# Altium PCB PCB3.PcbDoc
Units mm, origin at the board's own origin, x right, y up, seen from the top; angles counter-clockwise.
Board outline 50.8 x 54.14 mm, 2 copper layers (Top Layer, Bottom Layer); 102 components, 34 nets, 402 pads, 88 vias.
Unrouted connection lines stored in the file: 42.
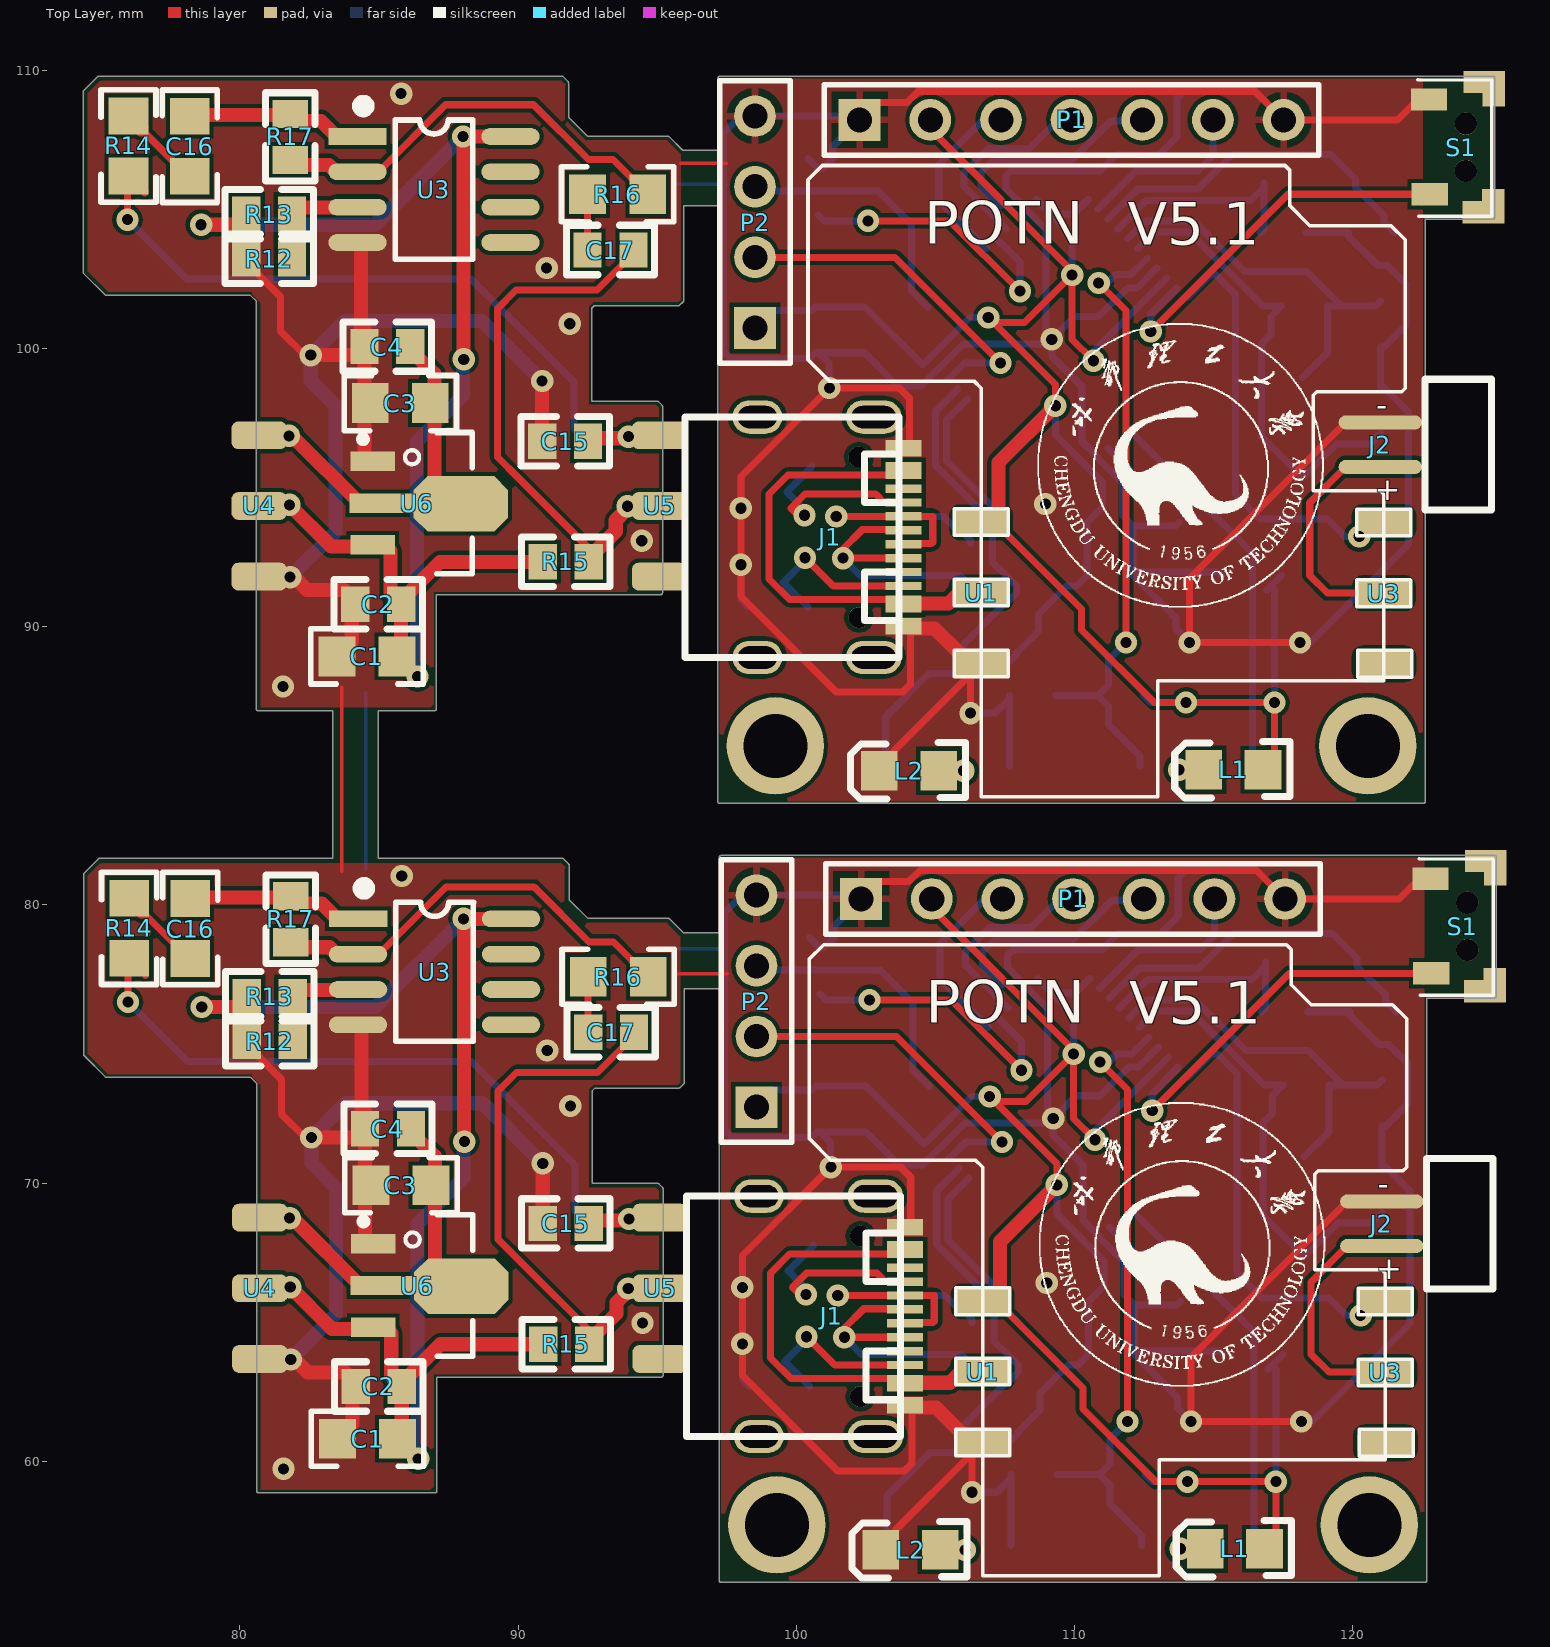
[diagram p0: Top Layer view]
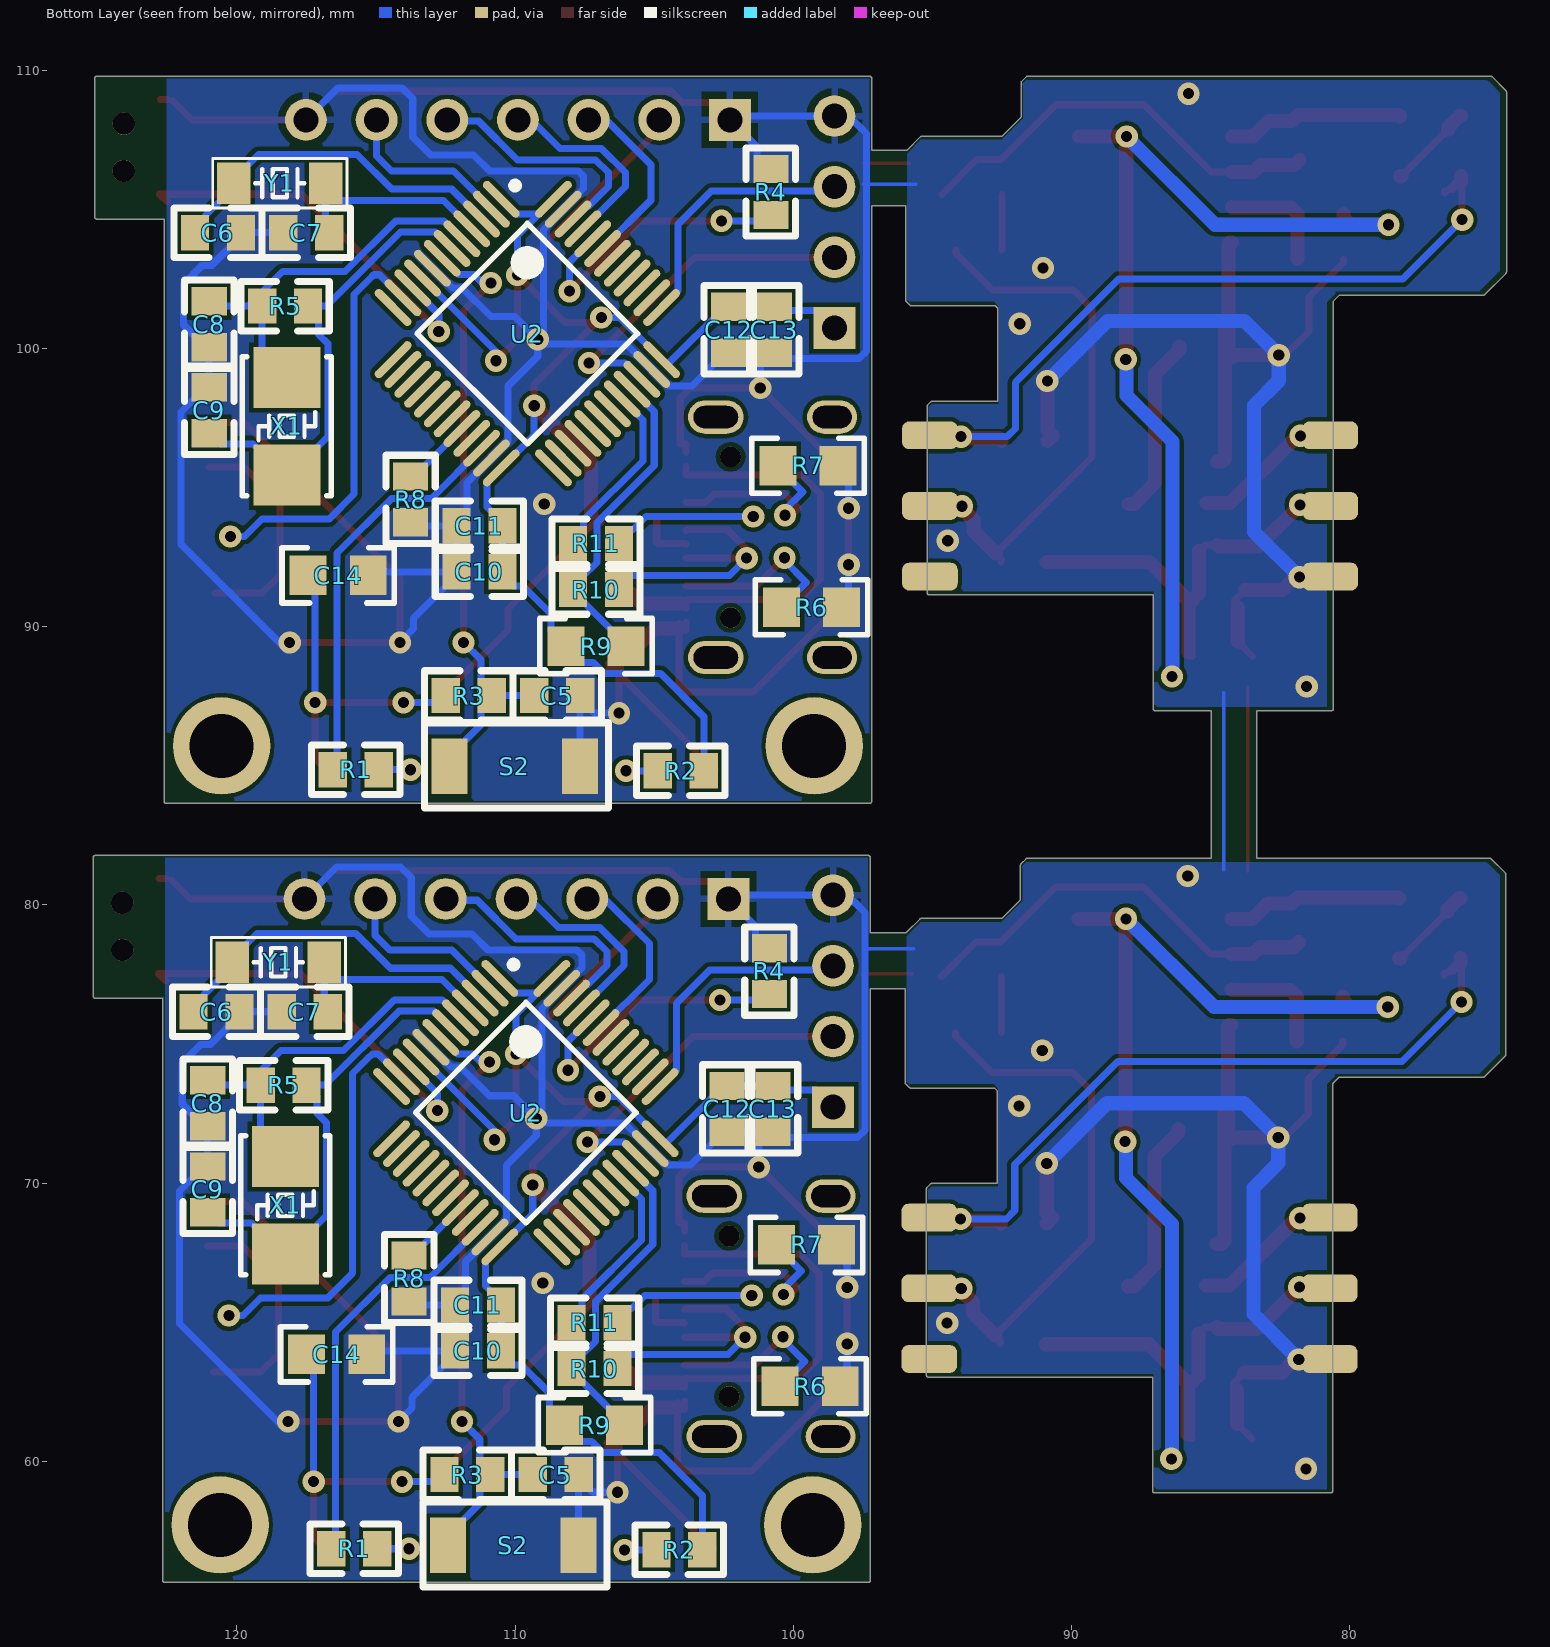
[diagram p1: Bottom Layer view, seen from below]
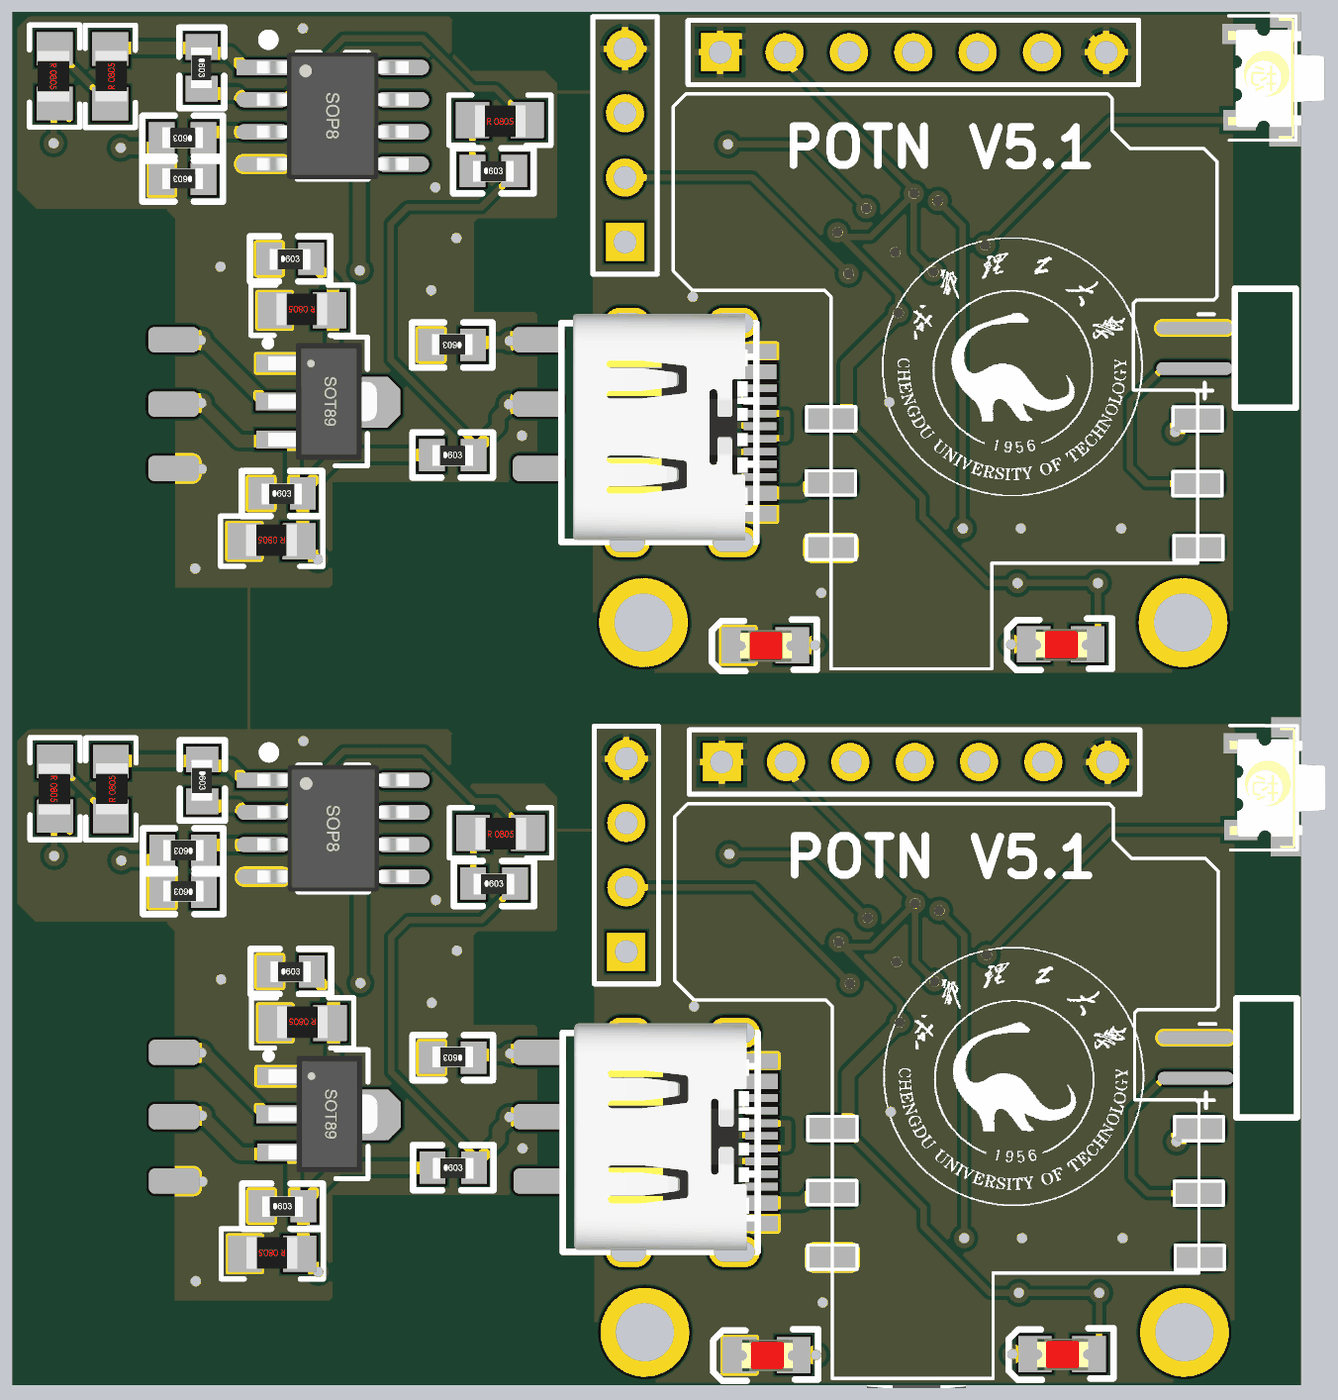
[diagram p2: 3D render of the assembled board from above, using the file's embedded part models]
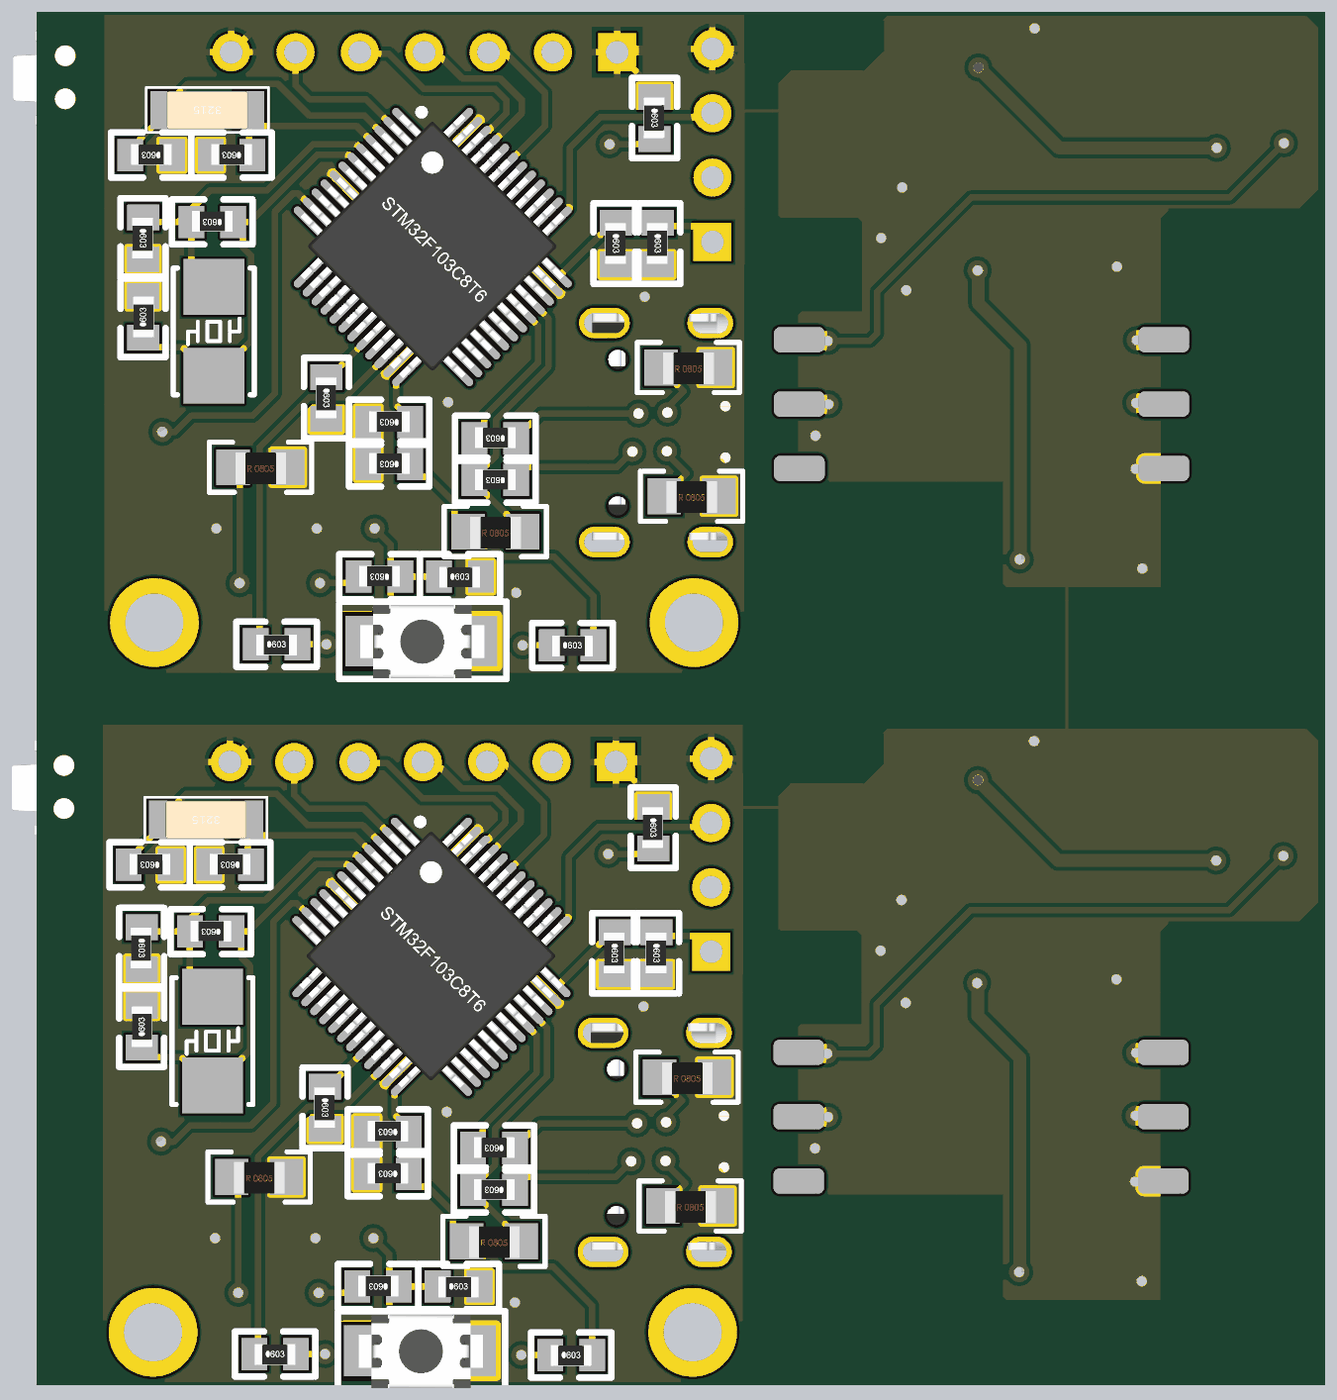
[diagram p3: 3D render of the assembled board from below, using the file's embedded part models]

## Layer stack, top to bottom
Top Solder: solder mask 0.0102, Solder Resist, Dk 3.5
Top Layer: signal copper 0.0356
Dielectric 1: dielectric 0.32, FR-4, Dk 4.8
Bottom Layer: signal copper 0.0356
Bottom Solder: solder mask 0.0102, Solder Resist, Dk 3.5

## Board outline
75.211,73.797 80.392,73.797 80.608,73.58 80.608,68.781 80.608,58.926 ccw(c80.672,58.926) 80.672,58.862 87.022,58.862 ccw(c87.022,58.926) 87.086,58.926 87.086,63.027 95.15,63.027 ccw(c95.15,63.091) 95.214,63.091 95.214,69.797 ccw(c95.15,69.797) 95.195,69.842 95.068,69.969 ccw(c95.023,69.924) 95.023,69.988 92.674,69.988 92.674,73.326 92.764,73.416 95.785,73.416 ccw(c95.785,73.48) 95.83,73.435 95.957,73.562 ccw(c95.912,73.607) 95.976,73.607 95.976,76.976 97.226,76.976 97.226,55.722 ccw(c97.29,55.722) 97.25,55.672 ccw(c97.3,55.712) 97.3,55.648 122.6,55.648 ccw(c122.6,55.712) 122.664,55.712 122.664,76.643 122.669,76.648 125.1,76.648 ccw(c125.1,76.712) 125.164,76.712 125.164,81.712 ccw(c125.1,81.712) 125.1,81.776 97.3,81.776 ccw(c97.3,81.712) 97.236,81.712 97.236,79.005 95.939,79.005 95.449,79.494 ccw(c95.404,79.449) 95.404,79.513 92.51,79.513 91.836,80.186 91.836,81.43 ccw(c91.772,81.43) 91.817,81.475 91.639,81.653 ccw(c91.594,81.608) 91.638,81.654 ccw(c91.592,81.61) 91.592,81.674 84.984,81.674 84.984,86.98 ccw(c84.92,86.98) 84.984,86.982 ccw(c84.986,87.046) 84.986,86.982 87,86.982 ccw(c87,87.046) 87.064,87.046 87.064,91.147 95.128,91.147 ccw(c95.128,91.211) 95.192,91.211 95.192,97.917 ccw(c95.128,97.917) 95.173,97.962 95.046,98.089 ccw(c95.001,98.044) 95.001,98.108 92.652,98.108 92.652,101.446 92.742,101.536 95.763,101.536 ccw(c95.763,101.6) 95.808,101.555 95.935,101.682 ccw(c95.89,101.727) 95.954,101.727 95.954,105.126 97.183,105.126 97.183,83.715 ccw(c97.247,83.715) 97.247,83.651 122.547,83.651 ccw(c122.547,83.715) 122.611,83.715 122.611,104.646 122.616,104.651 125.047,104.651 ccw(c125.047,104.715) 125.111,104.715 125.111,109.715 ccw(c125.047,109.715) 125.047,109.779 97.247,109.779 ccw(c97.247,109.715) 97.183,109.715 97.183,107.125 95.917,107.125 95.427,107.614 ccw(c95.382,107.569) 95.382,107.633 92.488,107.633 91.814,108.306 91.814,109.55 ccw(c91.75,109.55) 91.795,109.595 91.617,109.773 ccw(c91.572,109.728) 91.572,109.792 74.935,109.792 ccw(c74.935,109.728) 74.89,109.773 74.382,109.265 ccw(c74.427,109.22) 74.363,109.22 74.363,102.743 ccw(c74.427,102.743) 74.382,102.698 75.144,101.936 ccw(c75.189,101.981) 75.189,101.917 80.37,101.917 80.586,101.7 80.586,96.901 80.586,87.046 ccw(c80.65,87.046) 80.608,86.998 ccw(c80.656,87.04) 80.656,86.976 83.336,86.976 83.336,81.672 74.957,81.672 ccw(c74.957,81.608) 74.912,81.653 74.404,81.145 ccw(c74.449,81.1) 74.385,81.1 74.385,74.623 ccw(c74.449,74.623) 74.404,74.578 75.166,73.816 ccw(c75.211,73.861)

## Design rules (kind name [scope] priority, off if disabled: settings)
Clearance [All] p1: gap=0.152 ignorepadtopadclearanceinfootprint=TRUE
PolygonConnect [All] p1: thpad.connectstyle=Relief thpad.reliefconductorwidth=0.254 thpad.reliefentries=4 thpad.polygonreliefangle="90 Angle" thpad.airgapwidth=0.254 smdpad.connectstyle=Direct smdpad.reliefconductorwidth=0.254 smdpad.reliefentries=4 smdpad.polygonreliefangle="90 Angle" smdpad.airgapwidth=0.254 via.connectstyle=Direct via.reliefconductorwidth=0.254 via.reliefentries=4 via.polygonreliefangle="90 Angle" via.airgapwidth=0.254
RoutingVias [All] p1: holewidth=0.711 width=1.27 viastyle="Through Hole" minholewidth=0.3 minwidth=0.6 maxholewidth=0.711 maxwidth=1.27
SolderMaskExpansion [All] p1: expansion=0.102
Width [All] p1: maxlimit=1.27 minlimit=0.254 preferedwidth=0.254
30 further rules are at their usual default settings.

## Components (designator, comment, footprint, x,y, rotation, side; value= is the part's Value field where it differs from the comment)
C1 "10uF" RC0805 85.67,60.808 r180 top
C1 "10uF" RC0805 85.648,88.928 r180 top
C2 "104" RC0603 84.17,62.688 r0 top
C2 "104" RC0603 84.148,90.808 r0 top
C3 "10uF" RC0805 86.87,69.918 r180 top
C3 "10uF" RC0805 86.848,98.038 r180 top
C4 "104" RC0603 84.499,71.948 r0 top
C4 "104" RC0603 84.477,100.068 r0 top
C5 "104" RC0603 109.365,59.522 r180 bottom
C5 "104" RC0603 109.312,87.525 r180 bottom
C6 "15P" RC0603 119.906,76.159 r0 bottom
C6 "15P" RC0603 119.853,104.162 r0 bottom
C7 "15P" RC0603 116.731,76.159 r0 bottom
C7 "15P" RC0603 116.678,104.162 r0 bottom
C8 "22P" RC0603 121.049,73.695 r270 bottom
C8 "22P" RC0603 120.996,101.698 r270 bottom
C9 "22P" RC0603 121.049,68.948 r90 bottom
C9 "22P" RC0603 120.996,96.951 r90 bottom
C10 "104" RC0603 110.508,63.967 r0 bottom
C10 "104" RC0603 110.455,91.97 r0 bottom
C11 "104" RC0603 110.508,65.618 r0 bottom
C11 "104" RC0603 110.455,93.621 r0 bottom
C12 "104" RC0603 102.38,73.492 r270 bottom
C12 "104" RC0603 102.327,101.495 r270 bottom
C13 "104" RC0603 100.729,73.492 r270 bottom
C13 "104" RC0603 100.676,101.495 r270 bottom
C14 "106" RC0805 117.493,63.84 r180 bottom
C14 "106" RC0805 117.44,91.843 r180 bottom
C15 "104" RC0603 92.54,68.548 r180 top
C15 "104" RC0603 92.518,96.668 r180 top
C16 "4.7uf" RC0805 78.22,78.068 r90 top
C16 "4.7uf" RC0805 78.198,106.188 r90 top
C17 "104" RC0603 92.519,75.418 r0 top
C17 "104" RC0603 92.497,103.538 r0 top
J1 "TYPE-C-31-M-12" USB-TYPE-C_16PIN-MALE-TYPE-C-31-M-12 101.281,65.209 r270 top
J1 "TYPE-C-31-M-12" USB-TYPE-C_16PIN-MALE-TYPE-C-31-M-12 101.228,93.212 r270 top
J2 "MIC" MIC4.5*2.2MMTIE 121.049,68.539 r0 top
J2 "MIC" MIC4.5*2.2MMTIE 120.996,96.542 r0 top
L1 "1" LED0805 116.833,56.855 r0 top
L1 "1" LED0805 116.78,84.858 r0 top
L2 "1" LED0805 105.174,56.815 r0 top
L2 "1" LED0805 105.121,84.818 r0 top
P1 "Header 7" HDR1X7 102.33,80.212 r0 top
P1 "Header 7" HDR1X7 102.277,108.215 r0 top
P2 "Header 4" HDR1X4 98.57,72.73 r90 top
P2 "Header 4" HDR1X4 98.517,100.733 r90 top
R1 "510" RC0603 116.604,56.855 r180 bottom
R1 "510" RC0603 116.551,84.858 r180 bottom
R2 "510" RC0603 104.92,56.815 r180 bottom
R2 "510" RC0603 104.867,84.818 r180 bottom
R3 "10K" RC0603 110.889,59.522 r0 bottom
R3 "10K" RC0603 110.836,87.525 r0 bottom
R4 "10K" RC0603 100.856,78.445 r270 bottom
R4 "10K" RC0603 100.803,106.448 r270 bottom
R5 "1M" RC0603 117.493,73.52 r0 bottom
R5 "1M" RC0603 117.44,101.523 r0 bottom
R6 "5.1K" RC0805 100.475,62.697 r180 bottom
R6 "5.1K" RC0805 100.422,90.7 r180 bottom
R7 "5.1K" RC0805 100.602,67.777 r180 bottom
R7 "5.1K" RC0805 100.549,95.78 r180 bottom
R8 "10K" RC0603 113.81,67.396 r270 bottom
R8 "10K" RC0603 113.757,95.399 r270 bottom
R9 "1.5K" RC0805 108.222,61.3 r180 bottom
R9 "1.5K" RC0805 108.169,89.303 r180 bottom
R10 "22R" RC0603 106.317,63.332 r0 bottom
R10 "22R" RC0603 106.264,91.335 r0 bottom
R11 "22R" RC0603 106.317,64.983 r0 bottom
R11 "22R" RC0603 106.264,92.986 r0 bottom
R12 "10K" RC0603 81.901,75.098 r180 top
R12 "10K" RC0603 81.879,103.218 r180 top
R13 "10K" RC0603 81.901,76.708 r180 top
R13 "10K" RC0603 81.879,104.828 r180 top
R14 "300" RC0805 76.02,80.238 r270 top
R14 "300" RC0805 75.998,108.358 r270 top
R15 "10K" RC0603 90.91,64.208 r0 top
R15 "10K" RC0603 90.888,92.328 r0 top
R16 "1K" RC0805 92.521,77.418 r0 top
R16 "1K" RC0805 92.499,105.538 r0 top
R17 "50K" RC0603 81.83,80.308 r270 top
R17 "50K" RC0603 81.808,108.428 r270 top
S1 "switch_wo" SW-SMD-4X2X2侧 124.125,79.185 r270 top
S1 "switch_wo" SW-SMD-4X2X2侧 124.072,107.188 r270 top
S2 "SW-PB" SMT-KEY 112.415,56.982 r270 bottom
S2 "SW-PB" SMT-KEY 112.362,84.985 r270 bottom
U1 "BOARD1" BOARD1DAN 106.708,62.175 r0 top
U1 "BOARD1" BOARD1DAN 106.655,90.178 r0 top
U2 "STM32F103C8T6" LQFP48 110.549,77.357 r315 bottom
U2 "STM32F103C8T6" LQFP48 110.496,105.36 r315 bottom
U3 "BOARD2" BOARD2-DAN 109.926,62.125 r0 top
U3 "LM358" SOP8_M 87,77.593 r0 top
U3 "LM358" SOP8_M 86.978,105.713 r0 top
U3 "BOARD2" BOARD2-DAN 109.873,90.128 r0 top
U4 "BOARD1" BOARD1 80.73,65.188 r0 top
U4 "BOARD1" BOARD1 80.708,93.308 r0 top
U5 "BOARD2" BOARD2 83.86,65.138 r0 top
U5 "BOARD2" BOARD2 83.838,93.258 r0 top
U6 "AMS1117-3.3" SOT89_M 86.846,66.318 r270 top
U6 "AMS1117-3.3" SOT89_M 86.824,94.438 r270 top
X1 "8M" "OSC 5032-2P" 118.255,69.202 r270 bottom
X1 "8M" "OSC 5032-2P" 118.202,97.205 r270 bottom
Y1 "32.768K" "OSC 3215-2P" 118.509,77.937 r0 bottom
Y1 "32.768K" "OSC 3215-2P" 118.456,105.94 r0 bottom

## Footprints (in the part's own frame and the unit in brackets; to place one, negate y for a bottom-side part, rotate by r counter-clockwise, add the part's x,y. Pads: shape width x height; smd on the part's side, far side on the other; paste and mask are expansions set on the pad)
BOARD1 [mm]
  rrect50% 2x1 smd far side: 1(-0.01,3.57) 2(-0.01,1.03) 3(-0.01,-1.51)
  rrect50% 2x1 smd: 1(-0.01,3.57) 2(-0.01,1.03) 3(-0.01,-1.51)
BOARD1DAN [mm]
  rrect50% 2x1 smd: 1(-0.01,3.57) 2(-0.01,1.03) 3(-0.01,-1.51)
BOARD2 [mm]
  rrect50% 2x1 smd far side: 4(11.25,-1.46) 5(11.25,1.08) 6(11.25,3.62)
  rrect50% 2x1 smd: 4(11.25,-1.46) 5(11.25,1.08) 6(11.25,3.62)
BOARD2-DAN [mm]
  rrect50% 2x1 smd: 4(11.25,-1.46) 5(11.25,1.08) 6(11.25,3.62)
HDR1X4 [mm] "Connector; Header; 4 Position"
  rect 1.5x1.5 hole 0.9: 1(0,0)
  round 1.5 hole 0.9: 2(2.54,0) 3(5.08,0) 4(7.62,0)
  silkscreen extent -1.27,-1.27 8.89,1.27
HDR1X7 [mm] "Connector; Header; 7 Position"
  rect 1.5x1.5 hole 0.9: 1(0,0)
  round 1.5 hole 0.9: 2(2.54,0) 3(5.08,0) 4(7.62,0) 5(10.16,0) 6(12.7,0) 7(15.24,0)
  silkscreen extent -1.27,-1.27 16.51,1.27
LED0805 [mil]
  rect 52x56 smd: 1(0,0) 2(-84,0)
  Top Layer lines w20: -86,2 -84,0
  silkscreen extent -125,-40 38,40, body extent -81,-25 -1,24, height 43
LQFP48 [mm]
  oval 0.3x1.75 smd: 1(0,0) 2(0.5,0) 3(1,0) 4(1.5,0) 5(2,0) 6(2.5,0) 7(3,0) 8(3.5,0) 9(4,0) 10(4.5,0) 11(5,0) 12(5.5,0) 25(5.5,8.15) 26(5,8.15) 27(4.5,8.15) 28(4,8.15) 29(3.5,8.15) 30(3,8.15) 31(2.5,8.15) 32(2,8.15) 33(1.5,8.15) 34(1,8.15) 35(0.5,8.15) 36(0,8.15)
  oval 1.75x0.3 smd: 13(6.825,1.325) 14(6.825,1.825) 15(6.825,2.325) 16(6.825,2.825) 17(6.825,3.325) 18(6.825,3.825) 19(6.825,4.325) 20(6.825,4.825) 21(6.825,5.325) 22(6.825,5.825) 23(6.825,6.325) 24(6.825,6.825) 37(-1.325,6.825) 38(-1.325,6.325) 39(-1.325,5.825) 40(-1.325,5.325) 41(-1.325,4.825) 42(-1.325,4.325) 43(-1.325,3.825) 44(-1.325,3.325) 45(-1.325,2.825) 46(-1.325,2.325) 47(-1.325,1.825) 48(-1.325,1.325)
  silkscreen extent -0.82,-0.12 5.55,6.88, body extent -1.76,-0.46 7.24,8.54, height 6.78
MIC4.5*2.2MMTIE [mm]
  oval 3x0.5 smd: 1(0,-0.8) 2(0,0.8)
  silkscreen extent 1.6,-2.35 4,2.35, body extent 1.53,-2.42 3.93,2.38, height 3.3
"OSC 3215-2P" [mm] "3.2*1.5*0.6mm(长宽高)"
  rect 1.2x1.5 smd: 1(1.65,0) 2(-1.65,0)
  silkscreen extent -2.41,-0.89 2.41,0.89, body extent -1.6,-0.75 1.6,0.75, height 0.61
"OSC 5032-2P" [mm] "5mm*3.2mm*0.8mm(长*宽*高)"
  rect 2.2x2.4 smd: 1(-1.75,0) 2(1.75,0)
  silkscreen extent -2.5,-1.6 2.5,1.6, body extent -2.5,-1.6 2.5,1.6, height 1.56
RC0603 [mil]
  rect 40x50 smd: 1(0,0) 2(65,0)
  silkscreen extent -30,-35 95,35, body extent 1,-17 64,15, height 18
RC0805 [mil]
  rect 52x56 smd: 1(0,0) 2(85,0)
  silkscreen extent -37,-39 122,39, body extent 4,-26 82,23, height 16
SMT-KEY [mm]
  rect 2x1.3 smd paste+0 mask+0.2: 1(0,0) 2(0,4.7)
  silkscreen extent -1.56,-0.89 1.5,5.72, body extent -1.43,-0.06 1.47,4.84, height 2
SOP8_M [mm] "5*6*1.8mm（长宽高）"
  rect 2.1x0.6 smd: 1(-2.75,1.905)
  oval 2.1x0.6 smd: 2(-2.75,0.635) 3(-2.75,-0.635) 4(-2.75,-1.905) 5(2.75,-1.905) 6(2.75,-0.635) 7(2.75,0.635) 8(2.75,1.905)
  silkscreen extent -2.69,-2.5 1.4,3.15, body extent -3,-2.5 3,2.5, height 1.9
SOT89_M [mm] "4.6x4.3x1.6mm(长宽高)"
  rect 0.7x1.6 smd: 1(-1.5,-2.054) 3(1.5,-2.054)
  rect 0.7x2.4 smd: 2(0,-1.676)
  oct 2x3.4 smd: 2(0.025,1.118)
  silkscreen extent -2.54,-2.52 2.54,1.52, body extent -2.3,-2.4 2.3,1.9, height 1.6
SW-SMD-4X2X2侧 [mm] "TS-018/TS-A002 /THAM04"
  rect 0.8x1.3 smd mask+0: 1(1.646,-1.301) 2(-1.758,-1.327)
  rect 0.8x0.8 smd mask+0: 3(1.862,0.985) 4(-1.91,0.997)
  rect 0.8x1.5 smd mask+0: 3(2.293,0.629) 4(-2.393,0.654)
  round 0.8 hole 0.8 mask+0: 7(-0.893,-0.006) 8(0.807,-0.006)
  silkscreen extent -2.47,-1.73 2.44,0.93, body extent -2.38,-1.75 2.37,2.05, height 1.8
USB-TYPE-C_16PIN-MALE-TYPE-C-31-M-12 [mm]
  oval 1.2x2 hole 0.8 slot 1.6 at 90 deg: 0(-4.32,1.556) 0(4.32,1.556)
  oval 1.2x1.8 hole 0.8 slot 1.4 at 90 deg: 0(-4.32,-2.624) 0(4.32,-2.624)
  rect 0.3x1.3 smd: A1(-3.35,2.623) A4(-2.55,2.623) A5(-1.25,2.623) A6(-0.25,2.623) A7(0.25,2.623) A8(1.25,2.624) A9(2.55,2.623) A12(3.35,2.623) B1(3.05,2.623) B4(2.25,2.623) B5(1.75,2.623) B6(0.75,2.623) B7(-0.75,2.623) B8(-1.75,2.624) B9(-2.25,2.623) B12(-3.05,2.623)
  round 0.75 hole 0.75 unplated: ""(-2.89,1.026) ""(2.89,1.026)